# Allegro board RK3576_Template_LP5D315P132SD8_25x36_2400MHz_H1R0_V11_20240530YWQ.brd (continued)
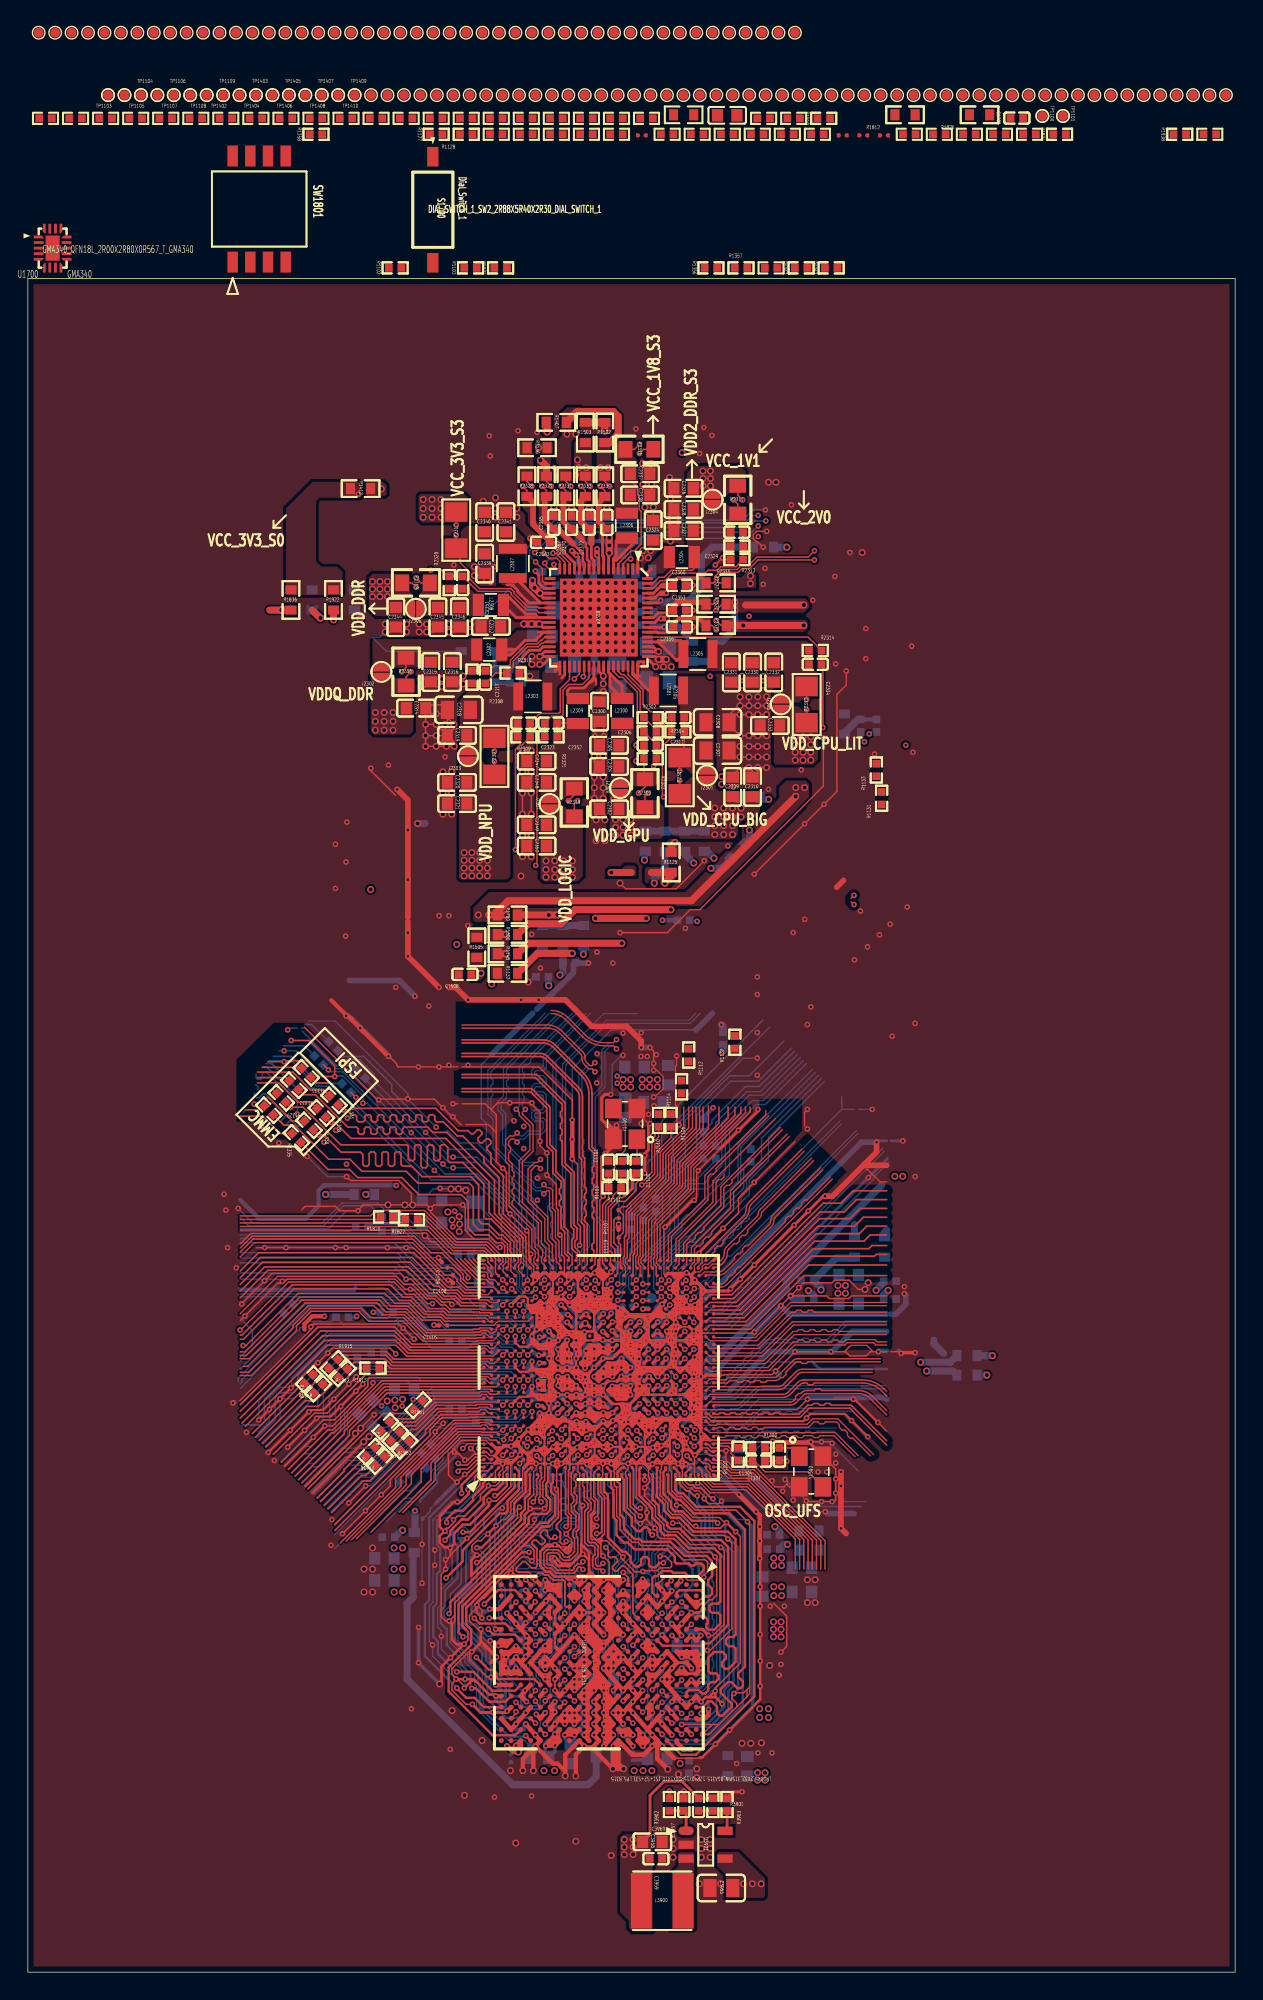
[diagram p0: board, top side]
## Routing (per net, layer and track width the routed paths; a pad name or vN(x,y) marks a point on that pad's centre or on a via; arc(x,y) is an arc through that point) (continued)
  BOTTOM w0.107: 35.32,37.13 34.8,36.61 34.8,36.45 ; 35.32,37.13 v1(35.37,37.18) ; 35.32,37.13 35.32,37.03 35.67,36.69 ; 35.28,37.18 34.95,37.5 34.83,37.5 ; 35.28,37.18 v1(35.37,37.18) ; 35.28,37.18 35.28,37.27 ; v1(35.37,37.18) 35.67,36.88 35.67,36.69 ; v1(35.37,37.18) 35.28,37.27 ; 35.28,37.27 35.28,38.29 ; 35.67,36.69 35.67,35.03 35.45,34.82
  BOTTOM w0.114: 17.89,63.13 17.89,63.9 17.14,64.64 16.97,64.64 16.85,64.53 16.85,64.25 16.74,64.13 16.51,64.13 16.4,64.25 16.4,64.53 ; 16.56,63.41 16.56,63.58 16.38,63.75 ; 16.28,63.13 16.28,62.97 ; 16.44,62.81 16.6,62.81 16.88,63.09 17.05,63.09 17.21,62.93 17.21,62.77 16.92,62.48 16.92,62.32 17.09,62.16 17.25,62.16 17.53,62.44 17.69,62.44 17.85,62.28 17.85,62.12 17.57,61.84 17.57,61.68 17.73,61.51 17.89,61.51 18.18,61.8 18.34,61.8 18.5,61.64 18.5,61.47 18.22,61.19 18.22,61.03 18.38,60.87 18.54,60.87 18.82,61.15 18.99,61.15 19.35,60.78 19.51,60.78 19.88,61.15 ; 21.67,62.94 21.13,62.94 20.57,63.5 19.3,63.5 17.54,65.27 17.11,65.27 ; 15.49,61.78 15.51,61.78 15.62,61.89 ; 39.63,33.75 39.63,35.3 39.16,35.77 39.16,37.38 v1(39.48,37.69)
  BOTTOM w0.127: 35.62,30.29 35.86,30.52 36.19,30.52 36.35,30.37 ; 35.62,30.29 35.5,30.29 35.31,30.48 35.31,31.37 35.54,31.6 36.81,31.6 ; 35.62,30.29 35.62,29.91 35.99,29.54 v1(36.2,29.54)
  BOTTOM w0.14: v1(42.64,42.78) 42.64,42.78 42.3,42.43 41.7,42.43 C1002.2
  BOTTOM w0.152: 36.69,44.9 36.72,44.9 C1034.2 37.15,44.91 37.45,45.2 v1(37.45,45.38) ; C1601.2 46.37,47.17 v1(45.57,47.98) ; v1(41.35,41.48) v1(40.7,41.48) ; 40.77,46.11 40.77,45.96 v1(41.31,45.42) ; 36.77,46.17 37.45,45.48 ; 43.93,33.79 43.74,33.98 ; 43.93,33.79 43.63,33.48 43.63,32.6 v1(44,32.23) ; 43.93,33.79 44.08,33.79 ; 37.42,41.66 37.12,41.96 37.12,42.45 37.58,42.91 C1029.2 37.11,43.12 37.08,43.15 36.7,43.15 36.38,42.82 C1902.2 36.28,42.79 36.28,42.16 36.22,42.1 ; 37.95,28.89 38.37,28.46 38.37,26.16 ; v1(45.24,44.73) 45.39,44.73 45.75,45.09 46.19,45.09 v1(46.55,44.73)
  BOTTOM w0.165: v1(44,32.23) 44.04,32.23 44.47,32.66 v1(44.47,33.02) 44.39,33.1 44.39,33.48 44.08,33.79 ; v1(43.12,36.54) 43.55,36.11 43.55,34.18 43.74,33.98 ; 28.19,33.78 28.19,33.94 29.41,35.15 29.41,35.75 30.73,37.08 ; C3900.2 42.8,28.16 v1(42.77,28.18)
  BOTTOM w0.178: 37.95,29.34 37.95,28.89 37.49,29.34 ; 37.95,29.34 37.95,29.62 v1(37.85,29.72) 37.85,29.69 37.49,29.34 ; 37.95,29.34 37.94,29.34 37.49,29.34 ; v1(40.17,36.49) 40.17,36.08 41.02,35.23 41.02,32.97 ; 36.81,31.6 37.44,32.23 37.44,32.45 37.96,32.96 37.96,34.15 37.96,34.15 37.96,34.53 37.97,34.54 v1(37.97,34.67) 37.54,35.11 37.54,36.35 v1(37.72,36.53) ; 37.49,29.34 36.38,29.34 36.2,29.52 v1(36.2,29.54) ; 39.63,33.29 39.63,33.75 v1(39.86,33.52) 39.63,33.29 ; 39.63,33.29 39.63,32.64 39.76,32.51 39.76,30.15 v1(39.88,30.03) ; v1(48.47,17.08) 48.85,17.08 50.59,18.83 50.59,19.88 v1(50.72,20.02) 51.03,20.32 51.03,30.5 50.11,31.43 50.11,32.18 50.17,32.24 50.17,32.26 v1(50.2,32.29) ; 50.05,19.69 50.05,19.05 49.89,18.89 ; 50.05,19.69 49.89,19.53 v1(49.89,19.28) 49.89,18.89 ; 50.05,19.69 50.05,20.3 50.36,20.61 50.36,30.12 49.97,30.51 v1(49.79,30.51) 49.64,30.66 49.48,30.66 48.66,31.48 48.66,32.75 47.52,33.89 47.52,34.56 48.09,35.12 v1(48.14,35.12) ; v1(33.05,31.48) 33.19,31.33 33.19,27.4 32.26,26.46 v1(32.26,26.37) ; v1(46.97,17.79) 47.08,17.9 48.9,17.9 49.89,18.89 ; v1(45.57,26.63) 45.9,26.3 46.03,26.3 46.12,26.21 46.79,26.21 46.81,26.19 47.31,26.19 v1(47.67,25.83) ; 33.29,21.5 33.29,22 32.91,22.38 32.91,23.1 30.95,25.06 30.95,26.99 31.87,27.9 31.87,29.76 32.07,29.96 v1(32.26,29.96) 32.47,29.96 32.65,29.78 32.65,27.69 31.51,26.54 31.51,25.28 31.8,24.99 32.19,24.99 v1(32.54,24.63) 32.67,24.5 32.67,24.48 33.02,24.13 33.28,24.13 33.61,24.46 v1(33.61,24.63) 33.57,24.68 33.57,32 v1(33.62,32.06) 33.62,32.87 v1(34.08,33.34) 34.08,33.45 35.45,34.82 ; 33.29,21.5 33.29,20.97 ; 33.29,21.5 34.33,20.47 34.33,20.05 ; C3962.2 48.06,21.37 48.61,21.37 48.9,21.08 ; v1(45.57,21.03) 46.19,20.42 48.36,20.42 48.9,20.96 48.9,21.08 ; v1(35.82,19.43) 35.72,19.54 v1(35.72,20.23) ; 34.33,20.05 C3967.2 34.33,19.37 ; 34.33,20.05 34.33,19.37 ; 37.34,23.88 36.12,23.88 ; v1(45.42,29.88) 45.97,30.43 45.97,30.48 ; 31.56,31.17 31.04,31.17 31,31.14 30.95,31.14 31.14,30.95 31.14,30.75 v1(31.55,31.16) 31.56,31.17 ; 31.56,31.17 32.13,31.74 32.13,32.89 v1(33.13,33.89) ; 48.9,22.45 C3938.2 48.9,22.02 ; 48.9,22.45 v1(48.9,24.18) 48.9,27.68 48.2,28.38 ; 48.9,22.45 48.9,22.02 ; 45.97,30.48 46.86,30.48 48.2,29.15 48.2,28.74 v1(48.56,28.37) 48.56,29.04 46.48,31.11 45.97,31.11 45.97,30.48 ; v1(35.77,22.66) 35.72,22.62 ; 48.9,21.08 48.9,22.02 ; v1(45.57,27.43) 45.57,28.94 45.33,29.18 ; v1(45.57,24.23) 45.2,23.86 44.59,23.86 44.22,24.23 v1(44.17,24.23) ; v1(49.39,20.21) 49.39,20.41 49.75,20.77 49.75,29.46 v1(49.37,29.84) 47.5,31.71 47.5,32.31 46.61,33.2 v1(46.61,33.55) 46.61,36.42 v1(46.72,36.53) ; v1(44.17,20.23) 43.83,20.57 43.11,20.57 v1(42.77,20.23) ; v1(35.32,33.4) 34.46,32.54 34.46,28.92 v1(34.68,28.69) 34.68,28.69 34.68,26.04 v1(34.42,25.78) ; 34.33,19.37 34.33,18.85 ; v1(36.09,33.3) 36.4,33 v1(36.4,32.51) 37.11,33.23 v1(37.11,33.3)
  BOTTOM w0.203: v1(56.26,38.1) 56.23,38.07 53.56,38.07 v1(53.5,38.13) ; 61.7,59.72 61.08,59.72 v1(60.97,59.62) ; v1(62.87,59.72) 62.01,59.72 ; v1(47.87,40.91) v1(47.87,40.26) 48.3,40.26 C1404.2 ; v1(46.27,19.43) v1(46.97,19.43) v1(47.67,19.43) v1(48.37,19.43) 48.45,19.36 C3914.2 48.45,18.66 v1(48.37,18.58) ; 61.7,43.33 56.88,43.33 56.38,43.84 ; 37.45,45.48 v1(37.45,45.38) ; 36.77,46.17 36.77,46.17 v1(36.55,46.17) ; v1(35.77,27.43) 35.92,27.43 C3924.2 36.47,27.98 v1(36.47,28.18) ; v1(43.47,25.03) 43.55,25.03 44.17,24.41 v1(44.17,24.23) ; C1036.2 39.22,46.06 39.22,46.78 C1700.2 ; C1409.2 48.61,46.77 50.08,46.77 v1(60.39,57.08) 61.75,58.44 ; C1309.2 36.69,44.9 C1116.2
  BOTTOM w0.229: C1009.2 43.64,41.8 v1(43.95,42.1) ; R1402.2 48.16,44.43 v1(47.9,44.17) 48.11,43.96 R1400.2 ; 48.53,48.25 48.24,48.25 v1(47.92,47.93) v1(47.32,47.93) v1(47.32,48.53) ; v1(37.42,40.18) 37.38,40.14 36.78,40.14 v1(36.76,40.16)
  BOTTOM w0.254: C1602.2 43.76,45.13 C1118.2 ; C1002.2 41.38,42.17 41.38,42.17 v1(41.34,42.13) ; v1(42.07,21.83) 42.07,21.02 C3926.2 41.37,21.71 v1(41.37,21.83) ; 45.55,17.88 45.55,18.61 v1(45.57,18.63) ; 29.31,33.68 30.83,35.2 v1(30.83,35.2) ; v1(38.74,43.43) 38.74,43.43 C1026.2 38.1,43.43 v1(38.1,43.43) ; v1(38.74,43.43) 38.75,43.43 U1000.2D6 C1024.2 39.16,43.11 ; v1(38.74,43.43) 38.74,43.44 C1035.2 38.42,43.76 v1(38.1,43.43) ; v1(36.47,16.23) 36.81,16.57 36.81,16.7 v1(36.47,17.03) ; v1(36.47,16.23) 36.37,16.33 36.04,16.33 36.02,16.31 C3908.2 36.47,15.85 v1(36.47,16.23) ; v1(44.87,22.63) 45.1,22.41 C3942.2 45.34,22.41 v1(45.57,22.63) ; C3966.2 43,26.63 v1(42.77,26.63) ; v1(44.87,17.03) 44.55,16.71 C3911.2 44.55,16.56 v1(44.87,16.23) ; v1(47.67,21.83) 47.67,21.66 C3962.2 ; v1(40.05,41.48) 40.14,41.48 40.37,41.72 40.61,41.48 v1(40.7,41.48) ; C3964.2 46.27,24.98 46.27,24.93 v1(45.57,24.23) 45.53,24.23 C3910.2 44.87,24.89 v1(44.87,25.03) ; C3964.2 46.71,24.78 v1(46.97,25.03) 46.97,25.13 v1(47.67,25.83) 47.88,25.62 48.26,25.62 ; C3964.2 46.71,24.44 v1(46.97,24.18) 46.65,23.86 C3928.2 ; C3939.2 39.27,18.74 v1(39.27,18.63) 39.27,18.5 C3936.2 39.27,18.04 v1(39.27,17.83) 39.27,17.72 C3934.2 ; C3933.2 41.37,24.39 v1(41.37,24.23) ; v1(34.43,18.74) 33.61,19.56 v1(33.61,19.83) 33.74,19.71 C3967.2 ; C1116.2 37.34,45.27 v1(37.45,45.38) ; v1(38.32,48.53) v1(38.92,47.93) 38.92,47.71 39.49,47.14 C1700.2 ; C3912.2 44.49,26.31 v1(44.17,26.63) ; v1(32.26,26.37) 32.24,26.34 C3921.2 32.61,25.53 v1(32.61,25.43) ; v1(42.07,16.23) 42.07,16.38 C3929.2 ; C3917.2 37.87,17.71 v1(37.87,17.83) 37.87,18.07 C3919.2 ; C1901.2 37.58,43.63 C1029.2 37.78,43.12 v1(38.1,43.43) ; C1901.2 37.78,43.75 v1(38.1,43.43) ; C1901.2 37.45,44 v1(37.45,44.08) 37.15,44.38 C1034.2 ; C3947.2 35.4,23.07 v1(35.77,23.43) ; C3947.2 35.07,22.7 v1(35.07,22.63) 35.07,22.57 C3931.2 35.4,22.3 35.72,22.62 ; C3947.2 35.4,23.03 v1(35.77,22.66) ; C3918.2 35.63,17.69 v1(35.77,17.83) ; v1(28.07,24.76) 28.07,24.74 v1(28.07,22.22) v2(29.59,20.7) ; v1(42.77,17.83) 42.77,17.69 C3961.2 ; v1(42.77,17.83) 42.41,17.48 42.41,17.46 ; v1(42.77,17.83) 42.41,18.19 42.41,18.2 42.07,18.54 v1(42.07,18.63) 42.07,18.77 42.39,19.08 ; 40.29,26.15 40.29,25.36 C3948.2 40.29,25.52 v1(39.97,25.83) 40.29,26.15 ; 40.29,26.15 C3946.2 ; v1(51.7,32.36) 52.07,31.99 52.07,19.05 v1(50.42,17.4) v1(49.4,16.38) 49.4,16.38 ; C3935.2 43.15,23.91 v1(43.47,24.23) ; v1(46.55,42.13) 46.59,42.09 46.59,41.76 C1406.2 ; v1(39.4,44.73) 39.4,44.64 C1017.2 39.4,44.18 v1(39.4,44.08) ; C3954.2 37,21.95 v1(37.17,21.78) ; v1(40.67,19.43) 40.67,19.35 C3941.2 40.67,18.76 v1(40.67,18.63) 40.67,18.54 C3953.2 40.94,18.1 v1(40.67,17.83) 40.67,17.73 C3943.2 40.67,17.19 v1(40.67,17.03) ; v1(40.05,42.73) 40.05,42.78 v1(40.69,43.42) ; C3923.2 44.26,28.7 v1(44.17,28.79) ; v1(39.97,28.18) 40.06,28.18 C3945.2 ; C3950.2 46.64,22.2 v1(46.27,21.83) 45.97,21.53 C3951.2 ; v1(38.75,41.48) 38.98,41.25 39.16,41.25 v1(39.4,41.48) 39.49,41.48 39.72,41.72 39.79,41.72 40.05,41.46 40.07,41.46 ; v1(35.77,27.43) 35.47,27.43 C3905.2 35.27,27.13 v1(35.77,26.63) ; C1010.2 43.84,42.78 v1(43.94,42.78) ; C1010.2 43.39,42.78 v1(43.29,42.78) ; C1010.2 43.65,43.01 44.25,43.62 ; 39.39,42.79 39.16,43.02 39.16,43.11 ; 39.39,42.79 v1(39.39,42.78) ; 39.39,42.79 39.39,42.87 39.16,43.11 ; C3951.2 45.97,21.34 v1(46.27,21.03) ; C3951.2 45.57,21.06 v1(45.57,21.03) ; C1005.2 42.26,44.36 42.7,44.8 42.7,45.02 C1006.2 ; v1(42.07,20.23) 42.07,20.06 42.39,19.74 42.77,20.13 v1(42.77,20.23) ; 44.63,42.1 v1(44.6,42.1) 44.33,42.37 C1400.2 44.26,42.46 v1(43.94,42.78) ; 39.16,43.11 39.39,43.34 v1(39.39,43.43) ; C3922.2 46.03,25.28 v1(46.27,25.03) ; v1(43.94,42.78) 43.94,43.29 C1000.2 ; v1(37.22,26.66) 36.97,26.41 C3913.2 36.47,26 v1(36.47,25.83)
  BOTTOM w0.305: v1(38.1,45.38) 37.88,45.6 C1032.2 37.67,45.6 v1(37.45,45.38) ; v1(37.12,47.88) 37.7,48.47 C1308.2 38.25,48.47 v1(38.32,48.53) ; v1(37.12,47.88) 37.71,47.29 C1510.2 C1507.2 ; v1(37.12,47.88) 37.11,47.9 C1113.2 36.35,47.57 C1111.2 36.19,46.81 C1112.2 36.39,46.31 36.41,46.31 v1(36.55,46.17) ; C1020.2 40.77,46.11 ; C1201.2 39.75,39.3 v1(40.12,38.93) 40.48,38.93 C1203.2 ; C1201.2 39.85,39.31 v1(40.08,39.55) 40.12,39.55 C1203.2 ; C1201.2 39.66,39.31 v1(39.42,39.56) ; C1801.2 36.7,46.61 36.7,46.32 v1(36.55,46.17) ; 42.41,45.59 42.93,46.1 C1102.2 43.18,46.17 v1(43.31,46.05) 43.31,45.62 C1006.2 42.78,45.59 42.41,45.59 ; 42.41,45.59 C1023.2 42.2,45.59 v1(42,45.38) 41.8,45.19 41.54,45.19 v1(41.31,45.42) ; v1(45.57,47.98) 45.39,47.98 C1502.2 45.12,47.43 C1500.2 44.78,46.93 44.36,46.51 C1600.2 44.45,46.31 44.45,45.82 C1602.2 44.38,45.71 44.93,45.16 C1506.2 44.93,45.05 v1(45.24,44.73) ; v1(37.42,40.18) 37.65,40.41 C1800.2 37.65,40.63 v1(37.42,40.86) 37.11,41.17 C1214.2 ; v1(62.74,44.45) 62.54,44.65 ; C1214.2 37.11,41.35 37.42,41.66 37.92,41.66 v1(38.1,41.48) 38.32,41.26 C1027.2 38.52,41.26 v1(38.75,41.48) ; C1214.2 37.01,41.15 36.3,41.15 35.9,41.55 35.9,41.6 C1903.2 36.07,41.77 36.07,41.92 v1(36.22,42.07) 36.22,42.1 ; v1(40.12,48.54) 40.12,48.43 C1701.2 40.38,48.19 v1(40.72,48.53) 40.13,48.53 v1(40.12,48.54) ; v1(40.12,48.54) 39.82,48.24 C1703.2 ; v1(43.29,42.78) 43.06,43.01 C1011.2 42.87,43.01 42.65,42.78 v1(42.64,42.78) ; v1(39.4,41.48) 39.72,41.16 C1207.2 39.72,41.16 v1(40.05,41.48) 40.37,41.16 C1208.2 40.37,41.16 v1(40.7,41.48) 41.01,41.17 C1206.2 41.03,41.17 v1(41.35,41.48) ; v1(40.05,42.13) 40.05,42.04 40.37,41.72 ; 61.73,44.65 61.18,44.65 v1(61.11,44.58) ; v1(36.55,46.17) 36.55,46.08 36.22,45.75 v1(36.22,45.67) 36.22,45.62 35.96,45.36 C1309.2 ; C1105.2 41.4,47.35 v1(41.34,47.3) 41.34,47.3 41.01,47.3 C1104.2 ; C3903.2 46.04,27.61 v1(46.27,27.38) ; v1(39.39,43.43) 39.16,43.66 C1016.2 ; v1(38.92,47.93) 39.3,47.93 39.61,48.24 C1703.2 ; C3965.2 39.23,28.15 v1(39.27,28.18) ; C1203.2 41.13,39.58 v1(41.35,39.58) 41.58,39.35 C1200.2 41.81,39.5 41.91,39.5 v1(42.03,39.61) ; v1(35.77,23.43) 36.12,23.78 36.12,23.88 v1(35.85,24.15) 35.68,23.99 35.22,23.99 v1(35.77,23.43) ; v1(35.77,23.43) 36.18,23.03 ; v1(43.95,42.1) 44.26,41.79 C1300.2 44.3,41.81 v1(44.6,42.1) ; v1(36.22,43.87) 36.01,43.66 36.01,43.54 C1900.2 35.91,43.23 C1902.2 ; v1(41.31,46.02) 41.35,46.02 41.64,45.74 ; v1(46.55,44.73) 46.76,44.52 C1509.2 46.76,44.3 v1(46.55,44.08) 46.76,43.87 C1408.2 ; v1(47.85,46.03) 48.34,46.53 C1409.2 ; 41.24,42.03 41.11,41.9 C1003.2 40.93,41.9 40.8,42.03 ; 41.24,42.03 40.8,42.03 ; 41.24,42.03 v1(41.34,42.13) ; v1(38.74,43.43) 39.07,43.76 C1016.2 ; 35.79,22.68 36.13,23.03 36.18,23.03 ; C1405.2 45.59,43.66 45.07,43.14 C1503.2 45.01,43.02 v1(45.25,42.78) ; C1703.2 39.59,48.38 39.59,49.02 ; v1(39.48,37.69) 39.52,37.73 v1(40.12,37.73) ; C1005.2 42.23,44.3 41.68,44.3 C1001.2 41.57,44.32 v1(41.33,44.08) 41.33,44.08 41.02,43.78 C1004.2 40.91,43.64 v1(40.69,43.42) 40.68,43.42 40.37,43.73 C1015.2 ; v1(34.42,25.78) 34.42,25.78 35.07,25.13 v1(35.07,25.03) 35.15,25.11 35.77,25.11 v1(35.77,25.11) 35.78,25.11 35.86,25.11 C3916.2 36.25,25.61 v1(36.47,25.83) ; C1016.2 39.16,43.85 v1(39.4,44.08) ; v1(45.57,18.63) 45.91,18.97 C3909.2 45.94,19.11 v1(46.27,19.43) ; v1(43.12,39.53) 43.41,39.82 43.41,39.95 43.58,39.95 v1(43.92,39.61) ; R1600.2 46.72,48.53 v1(47.32,48.53) ; 36.18,23.03 C3944.2 ; R1203.2 36.68,40.08 v1(36.76,40.16) ; v1(40.7,42.13) 40.8,42.03 ; C1018.2 40.03,45.95 v1(40,45.98) v1(39.4,45.38) 39.08,45.07 C1033.2 39.4,44.75 v1(39.4,44.73) ; R1401.2 47.85,41.23 47.85,40.94 v1(47.87,40.91) ; 23.55,49.15 23.43,49.02 15.26,49.02 ; v1(35.77,26.63) 36.08,26.32 C3925.2 ; C1118.2 43.73,44.95 v1(43.92,44.76) 43.7,44.54 C1504.2 43.7,44.28 v1(43.92,44.06) 44.25,43.73 C1000.2 ; C1103.2 42.59,47.12 C1117.2 42.38,47.32 v1(42.38,47.71) 42.49,47.71 42.67,47.89 C1106.2 42.77,47.38 C1103.2
  BOTTOM w0.406: 48.53,48.25 59.89,59.62 v1(60.97,59.62) ; v1(52.32,33.08) v1(51.1,34.31) 49.97,35.43 49.02,35.43 48.39,36.07 47.75,36.07 47.33,36.49 v1(47.28,36.49) ; 36.58,69.19 39.19,71.8 39.19,72.37 C1704.2 39.37,72.49 v1(40.28,72.49) ; v1(44.7,66.42) v1(44.07,66.42) ; v1(27.81,70.1) 26.67,71.25 23.09,71.25 ; 62.01,47.27 62.37,47.27 63.08,47.98 63.08,48.63 v1(62.98,48.73) ; 48,67.69 49.19,68.88 ; v1(25.91,65.79) 25.91,65.84 24.19,67.56 24.13,67.56 v1(23.88,67.82) 23.88,67.87 23.3,68.45 23.24,68.45 22.99,68.71 v1(22.86,68.71) ; 56.13,41.27 61.59,41.27 61.7,41.17 ; 50.45,41.81 53.21,44.58 v1(55.12,44.58) v1(57.69,44.58) 57.79,44.58 59.23,46.03 61.7,46.03 ; v1(49.66,42.88) 49.66,43.43 v1(52.2,45.97) v1(54.1,47.88) 54.71,47.27 61.7,47.27 ; 59.36,32.94 57.44,32.94 ; v1(53.72,43.18) 53.98,42.93 ; 33.31,65.92 36.27,68.88
  BOTTOM w0.508: v1(54.8,48.58) 54.98,48.4 C1505.2 ; v2(28,82.52) 28.54,82.52 ; 65.79,44.45 65.1,45.15 65.1,45.4 ; C1501.2 49.95,67.95 v1(49.83,68.06)
  vias: v1(14.1,55.88) v1(14.22,54.74) v1(14.35,52.05) v1(14.97,50.59) v1(15.37,48.01) v1(15.71,38.78) v1(16.26,62.36) v1(17.71,36.76) v1(18.03,59.56) v1(21.28,59.62) v1(21.85,32.51) v1(21.78,30.67) v1(26.43,70.74) v1(27.56,18.92) v1(28.8,69.4) v1(30.35,16) v1(30.61,101.09) v1(31.61,75.18) v1(33.15,110.36) v1(33.23,108.92) v1(33.5,100.97) v1(33.53,12.57) v1(34.62,62.45) v1(34.92,61.16) v1(35.22,110.73) v1(35.62,60.75) v1(35.62,59.16) v1(36.2,74.55) v1(36.2,12.65) v1(36.58,110.62) v1(36.61,57.04) v1(36.61,55.45) v1(36.83,72.14) v1(37.3,58.85) v1(37.3,57.26) v1(37.85,108.08) v1(40.89,73.28) v1(40.89,65.98) v1(40.87,63.88) v1(42.03,72.49) v1(42.76,67.46) v1(43.17,37.75) v1(43.69,110.87) v1(43.68,37.75) v1(44.07,67.49) v1(44.05,65.78) v1(44.07,60.96) v1(44.5,65.78) v1(44.6,61.62) v1(44.92,60.12) v1(44.99,62.23) v1(45.16,65.91) v1(47.24,74.98) v1(48.26,109.09) v1(48.57,110.96) v1(49.02,93.09) v1(49.15,110.39) v1(49.91,101.6) v1(50.29,80.9) v1(50.68,85.15) v1(50.93,14.99) v1(51.82,97.41) v1(52.41,71.5) v1(52.41,70.23) v1(52.41,67.5) v1(52.41,64.43) v1(52.45,15.75) v1(52.83,99.69) v1(52.96,100.84) v1(53.21,84.96) v1(53.34,26.29) v1(53.47,35.31) v1(53.47,15.75) v1(53.98,21.34) v1(54.1,22.11) v1(54.23,34.54) v1(54.36,26.29) v1(54.86,105.41) v1(54.99,74.68) v1(54.99,33.91) v1(55.57,86.37) v1(55.81,75.63) v1(56.01,68.07) v1(56.01,60.58) v1(56.26,69.34) v1(56.39,98.55) v1(56.77,35.94) v1(57.4,35.94) v1(57.98,100.26) v1(58.04,93.98) v1(58.04,37.21) v1(58.04,36.58) v1(59.05,101.98) v1(59.39,72.72) v1(59.82,76.23) v1(60.2,96.52) v1(60.2,94.36) v1(60.33,73.66) v1(60.83,87.51) v1(61.19,74.52) v1(61.95,75.28) v1(62.1,67.23) v1(62.98,49.24) v1(63.18,76.52) v1(63.5,95.25) v1(63.59,87.63) v1(63.75,68.16) v1(63.75,57.15) v2(24.16,28.96) v2(24.16,27.3) v2(24.77,30.48) v2(24.77,28.96) v2(24.77,27.3) v2(29.82,83.18) v2(30.46,83.18) v2(30.48,18.8) v2(31.37,12.7) v2(32.64,16.64) v2(32.72,105.66) v2(33.6,105.92) v2(34.67,14.48) v2(35.05,9.27) v2(35.43,78.74) v2(38.58,99.79) v2(38.58,99.19) v2(38.58,98.58) v2(38.58,97.97) v2(38.58,97.36) v2(38.58,96.75) v2(38.58,96.14) v2(38.58,95.53) v2(38.58,94.92) v2(39.19,99.79) v2(39.19,99.19) v2(39.19,98.58) v2(39.19,97.97) v2(39.19,97.36) v2(39.19,96.75) v2(39.19,96.14) v2(39.19,95.53) v2(39.19,94.92) v2(39.37,9.4) v2(39.8,99.79) v2(39.8,99.19) v2(39.8,98.58) v2(39.8,97.97) v2(39.8,97.36) v2(39.8,96.75) v2(39.8,96.14) v2(39.8,95.53) v2(39.8,94.92) v2(40.41,99.79) v2(40.41,99.19) v2(40.41,98.58) v2(40.41,97.97) v2(40.41,97.36) v2(40.41,96.75) v2(40.41,96.14) v2(40.41,95.53) v2(40.41,94.92) v2(40.83,81.28) v2(41.02,99.79) v2(41.02,99.19) v2(41.02,98.58) v2(41.02,97.97) v2(41.02,97.36) v2(41.02,96.75) v2(41.02,96.14) v2(41.02,95.53) v2(41.02,94.92) v2(41.46,81.28) v2(41.63,99.79) v2(41.63,99.19) v2(41.63,98.58) v2(41.63,97.97) v2(41.63,97.36) v2(41.63,96.75) v2(41.63,96.14) v2(41.63,95.53) v2(41.63,94.92) v2(41.91,8.38) v2(42.24,99.79) v2(42.24,99.19) v2(42.24,98.58) v2(42.24,97.97) v2(42.24,97.36) v2(42.24,96.75) v2(42.24,96.14) v2(42.24,95.53) v2(42.24,94.92) v2(42.85,99.79) v2(42.85,99.19) v2(42.85,98.58) v2(42.85,97.97) v2(42.85,97.36) v2(42.85,96.75) v2(42.85,96.14) v2(42.85,95.53) v2(42.85,94.92) v2(43.46,99.79) v2(43.46,99.19) v2(43.46,98.58) v2(43.46,97.97) v2(43.46,97.36) v2(43.46,96.75) v2(43.46,96.14) v2(43.46,95.53) v2(43.46,94.92) v2(46.36,9.52) v2(46.36,8.89) v2(46.36,8.25) v2(46.74,14.22) v2(48.06,14.6) v2(48.06,13.97) v2(48.24,6.35) v2(48.39,9.52) v2(48.39,8.89) v2(48.39,8.25) v2(49.02,9.52) v2(49.02,8.89) v2(49.02,8.25) v2(49.76,6.35) v2(51.31,93.09) v2(51.31,16.44) v2(51.94,16.44) v2(52.44,91.61) v2(52.7,16.47) v2(52.83,93.09) v2(52.83,92.46) v2(53.21,107.03) v2(53.3,22.03) v2(53.75,107.03) v2(56.01,28.19) v2(56.01,26.54) v2(56.57,28.19) v2(56.57,26.54) v2(59.94,101.98) v2(60.38,49.53)
